# Altium PCB TX_PCB.PcbDoc (continued)
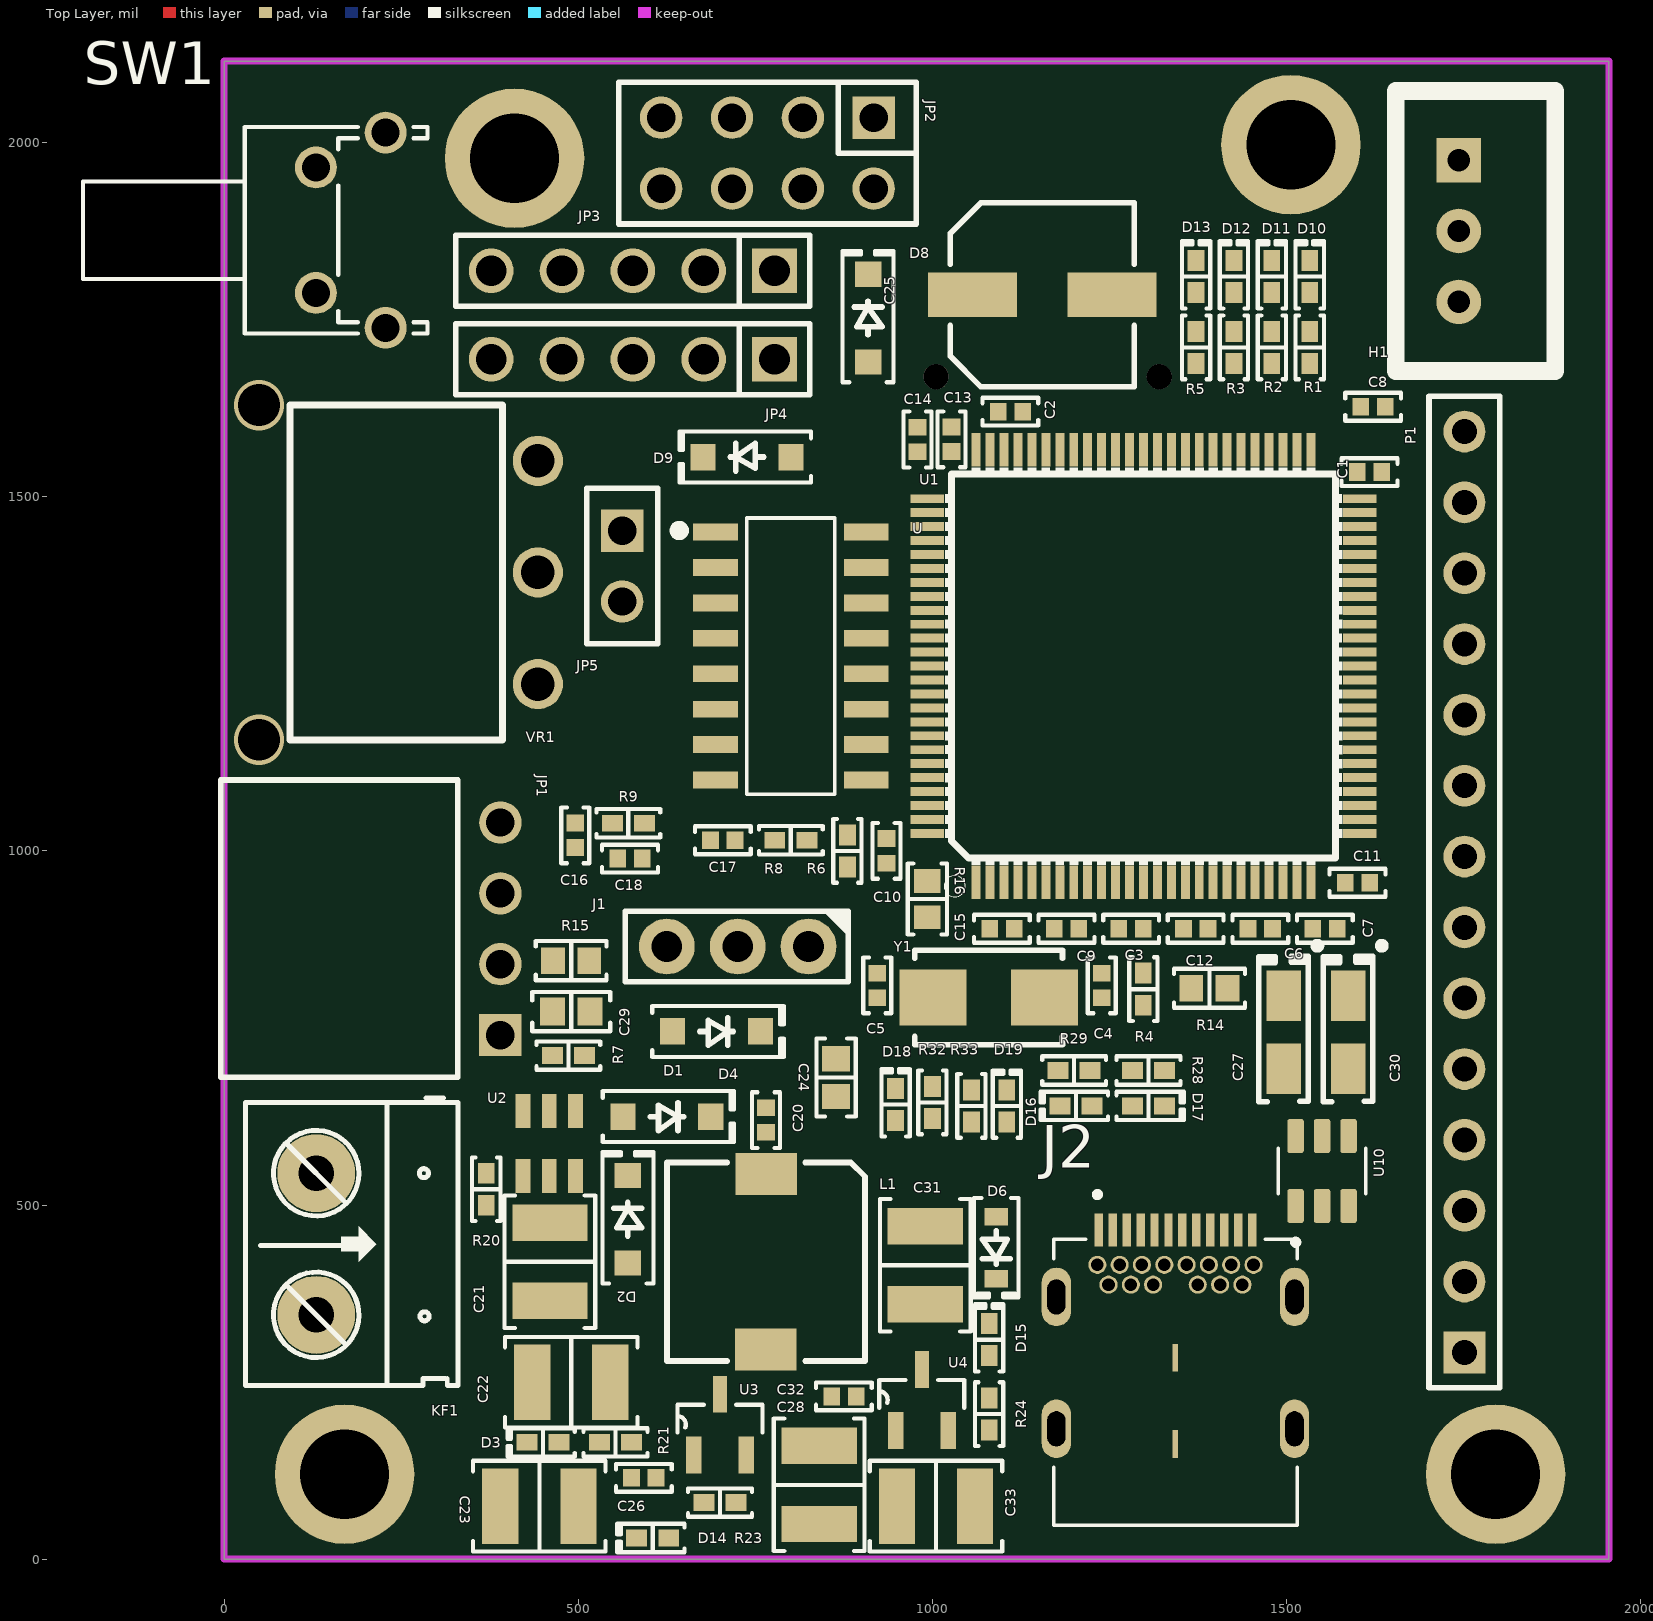
[diagram p0: Top Layer view]
## Part data (continued)
D16 D19: library part 150040GS73240, "LED GREEN CLEAR 0402 SMD", Current - Test=20mA, Device Package="0402 (1005 Metric)", Lens Color=Colorless, Manufacturer="Würth Elektronik", Millicandela Rating=800mcd, Supplier Part Number 1=732-11990-1-ND, Voltage - Forward (Vf) (Typ)=3.2V, Color=Green, componentlink1description=Datasheet, componentlink1url=https://katalog.we-online.de/pbs/datasheet/150040GS73240.pdf, componentlink2description="DigiKey Link", componentlink2url=https://www.digikey.com/en/products/detail/würth-elektronik/150040GS73240/8557155, Configuration=Standard, Height (Max)=0.50mm, lastupdated="6/3/2024 7:58:14 PM", Lens Size="1.00mm x 0.50mm", Lens Style="Rectangle with Flat Top", Lens Transparency=Clear, Lifecycle Status=Active, Minimum Order=1, Mounting Type="Surface Mount", Package / Case="0402 (1005 Metric)", packaging=TapeAndReel, Part Number=150040GS73240, Part Status=Active, partid=715, Price=0.16, series=WL-SMCC, Size / Dimension="1.00mm L x 0.50mm W", Supplier 1=DigiKey, Supplier Device Package="0402 (1005 Metric)", Viewing Angle=120°, Wavelength - Dominant=525nm, Wavelength - Peak=515nm
D17 D18: library part 150040SS73220, "LED RED CLEAR 0402 SMD", Current - Test=20mA, Device Package="0402 (1005 Metric)", Lens Color=Colorless, Manufacturer="Würth Elektronik", Millicandela Rating=90mcd, Supplier Device Package=0402, Supplier Part Number 1=732-13421-1-ND, Voltage - Forward (Vf) (Typ)=2V, Color=Red, componentlink2description="DigiKey Link", componentlink2url=https://www.digikey.com/en/products/detail/würth-elektronik/150040SS73220/9857944, Configuration=0402, Height (Max)=0.35mm, lastupdated="6/3/2024 7:59:17 PM", Lens Size="1.00mm x 0.50mm", Lens Style="Rectangle with Flat Top", Lens Transparency=Clear, Lifecycle Status=Active, Minimum Order=1, Mounting Type="Surface Mount", Package / Case="0402 (1005 Metric)", packaging=TapeAndReel, Part Number=150040SS73220, Part Status=Active, partid=511, Price=0.29, series=WL-SMCC, Size / Dimension="1.00mm L x 0.50mm W", Supplier 1=DigiKey, Viewing Angle=120°, Wavelength - Dominant=630nm, Wavelength - Peak=645nm
H1 KF1: "Cắm", Chung_Loai=Cắm, Don_Vi=Con
  H1: Ma_Hang=MH001292, Ten_Linh_Kien="Header 3P XH2.54-3P Đực Thẳng"
  KF1: Ma_Hang=MH000987, Ten_Linh_Kien="CON 2 KF301-2P 5.08MM Xanh Dương"
J1: "CONN RCPT 3POS 0.1 GOLD PCB", Current Rating (Amps)=3A, Insulation Color=Black, Manufacturer="Harwin Inc.", Material Flammability Rating="UL94 V-0", Operating Temperature="-40°C ~ 105°C", Supplier Part Number 1=952-1783-ND, componentlink1description=Datasheet, componentlink1url=https://cdn.harwin.com/pdfs/Harwin_PC_Connectors_M20.pdf, componentlink2description="DigiKey Link", componentlink2url=https://www.digikey.com/en/products/detail/harwin-inc/M20-7820342/3727752, Connector Type=Receptacle, Contact Finish - Mating=Gold, Contact Finish - Post=Tin, Contact Finish Thickness - Mating=Flash, Contact Length - Post="0.118\" (3.00mm)", Contact Type="Female Socket", Fastening Type=Push-Pull, Insulation Height="0.335\" (8.51mm)", lastupdated="9/21/2022 6:55:13 PM", Lifecycle Status=Active, Mated Stacking Heights="11.04mm, 12.63mm", Minimum Order=1, Mounting Type="Through Hole", Number of Positions=3, Number of Positions Loaded=All, Number of Rows=1, packaging=Tube, Part Number=M20-7820342, Part Status=Active, Pitch - Mating="0.100\" (2.54mm)", Price=0.42, series=M20, Style="Board to Board or Cable", Supplier 1=DigiKey, Termination=Solder
J2: "USB Type-C Connector", Package=None, Availability=Warning, DigiKey-Purchase-URL=https://snapeda.com/shop?store=DigiKey&id=4629247, MF="Stewart Connector", Mouser-Purchase-URL=https://snapeda.com/shop?store=Mouser&id=4629247, MP=SS-52400-002, Price=None, SnapEDA_Link=https://www.snapeda.com/parts/SS-52400-002/Stewart%20Connector/view-part/4629247/?ref=snap
JP1: library part "JP 1x4 2.54 Cai Cong", "Cắm", Chung_Loai=Cắm, Don_Vi=Con, Ma_Hang=MH001265, Ten_Linh_Kien="Jump Đơn Cái 2.54MM 1x40P Cong"
JP2: library part "JP 2x4 2.54 Cai Thang", "Cắm", Chung_Loai=Cắm, Don_Vi=Con, Ma_Hang=MH008647, Ten_Linh_Kien="Jump Đôi Cái 2.54MM 2x20P Thẳng"
JP3 JP4: library part "JP 1x5 2.54 Duc Thang", "Cắm", Chung_Loai=Cắm, Don_Vi=Con, Ma_Hang=MH000903, Ten_Linh_Kien="Jump Đơn Đực 2.54MM 1x40P Thẳng 11MM"
JP5: library part "JP 1x2 2.54 Cai Thang", "Cắm", Chung_Loai=Cắm, Don_Vi=Con, Ma_Hang=MH004006, Ten_Linh_Kien="Jump Đơn Cái 2.54MM 1x20P Thẳng"
L1: library part SLF7032T-100M1R4-2PF, "FIXED IND 10UH 1.4A 63.6 MOHM", Current Rating (Amps)=1.4A, DC Resistance (DCR)="63.6mOhm Max", Device Package=Nonstandard, Inductance Frequency - Test=100kHz, Manufacturer="TDK Corporation", Operating Temperature="-40°C ~ 105°C", Supplier Part Number 1=445-1998-1-ND, Tolerance=±20%, componentlink1description=Datasheet, componentlink1url=//media.digikey.com/pdf/Data%20Sheets/TDK%20PDFs/SLF7032_Type.pdf, componentlink2description="DigiKey Link", componentlink2url=http://digikey.com/product-detail/en/tdk-corporation/SLF7032T-100M1R4-2PF/445-1998-1-ND/755405, Height - Seated (Max)="0.134\" (3.40mm)", Inductance=10µH, lastupdated="9/2/2020 1:30:24 AM", Lifecycle Status=Active, Material - Core=Ferrite, Minimum Order=1, Mounting Type="Surface Mount", Package / Case=Nonstandard, packaging=TapeAndReel, Part Number=SLF7032T-100M1R4-2PF, Part Status=Active, partid=3677, Price=0.43, series=SLF, Shielding=Shielded, Size / Dimension="0.276\" L x 0.276\" W (7.00mm x 7.00mm)", Supplier 1=DigiKey, Type=Wirewound
P1: "Header, 14-Pin", LatestRevisionDate=17-Jul-2002, LatestRevisionNote="Re-released for DXP Platform.", Publisher="Altium Limited"
P2: "Micro SD Card Socket", Package=None, Availability=Unavailable, MP=ST-TF-003A, Price=None
Q1 Q2: "N/A", Package=Package, Availability="Not in stock", Check_prices=https://www.snapeda.com/parts/FS8205A/Fortune+Semiconductor/view-part/?ref=eda, MF="Fortune Semiconductor", MP=FS8205A, Price=None, SnapEDA_Link=https://www.snapeda.com/parts/FS8205A/Fortune+Semiconductor/view-part/?ref=snap
R1 R2 R3 R5 R23 R24: library part RC0402FR-07680RL, "RES 680 OHM 1% 1/16W 0402", Device Package="0402 (1005 Metric)", Manufacturer=Yageo, Operating Temperature="-55°C ~ 155°C", Power (Watts)="0.063W, 1/16W", Supplier Device Package=0402, Supplier Part Number 1=311-680LRCT-ND, Temperature Coefficient=±100ppm/°C, Tolerance=±1%, componentlink1description=Datasheet, componentlink1url=https://www.yageo.com/upload/media/product/productsearch/datasheet/rchip/PYu-RC_Group_51_RoHS_L_10.pdf, componentlink2description="DigiKey Link", componentlink2url=https://www.digikey.com/en/products/detail/yageo/RC0402FR-07680RL/726654, Composition="Thick Film", Features="Moisture Resistant", Height - Seated (Max)="0.016\" (0.40mm)", lastupdated="2/9/2024 8:30:23 PM", Lifecycle Status=Active, Minimum Order=1, Number of Terminations=2, Package / Case="0402 (1005 Metric)", packaging=CutTape, Part Number=RC0402FR-07680RL, Part Status=Active, partid=2599, Price=0.01, Resistance="680 Ohms", series=RC_L, Size / Dimension="0.039\" L x 0.020\" W (1.00mm x 0.50mm)", Supplier 1=DigiKey
R4: library part MCS04020D1003BE100, "RES SMD 100K OHM 0.1% 1/16W 0402", Device Package="0402 (1005 Metric)", Manufacturer="Vishay Beyschlag", Operating Temperature="-55°C ~ 125°C", Power (Watts)="0.063W, 1/16W", Supplier Device Package=0402, Supplier Part Number 1=749-1594-1-ND, Temperature Coefficient=±25ppm/°C, Tolerance=±0.1%, componentlink1description=Datasheet, componentlink1url=http://www.vishay.com/docs/28700/mcx0x0xpre.pdf, componentlink2description="DigiKey Link", componentlink2url=http://digikey.com/product-detail/en/vishay-beyschlag/MCS04020D1003BE100/749-1594-1-ND/7347904, Composition="Thin Film", Features=Anti-Sulfur, Height - Seated (Max)="0.015\" (0.37mm)", lastupdated="2/9/2024 8:30:09 PM", Lifecycle Status=Active, Minimum Order=1, Number of Terminations=2, Package / Case="0402 (1005 Metric)", packaging=TapeAndReel, Part Number=MCS04020D1003BE100, Part Status=Active, partid=5933, Price=0.17, Resistance="100 kOhms", series="MCS - Precision", Size / Dimension="0.039\" L x 0.020\" W (1.00mm x 0.50mm)", Supplier 1=DigiKey
R6 R7: library part RP73PF1E10KBTD, "RES 10K OHM 0.1% 1/10W 0402", Device Package="0402 (1005 Metric)", Manufacturer="TE Connectivity Passive Product", Operating Temperature="-55°C ~ 155°C", Power (Watts)="0.1W, 1/10W", Supplier Device Package=0402, Supplier Part Number 1=A127415CT-ND, Temperature Coefficient=±25ppm/°C, Tolerance=±0.1%, componentlink1description=Datasheet, componentlink1url=https://www.te.com/commerce/DocumentDelivery/DDEController?Action=srchrtrv&DocNm=1773272&DocType=DS&DocLang=English, componentlink2description="DigiKey Link", componentlink2url=https://www.digikey.com/en/products/detail/te-connectivity-passive-product/RP73PF1E10KBTD/8260957, Composition="Thin Film", Height - Seated (Max)="0.014\" (0.35mm)", lastupdated="2/9/2024 8:30:24 PM", Lifecycle Status=Active, Minimum Order=1, Number of Terminations=2, Package / Case="0402 (1005 Metric)", packaging=TapeAndReel, Part Number=RP73PF1E10KBTD, Part Status=Active, partid=2434, Price=0.08, Resistance="10 kOhms", series="RP73, Holsworthy", Size / Dimension="0.039\" L x 0.020\" W (1.00mm x 0.50mm)", Supplier 1=DigiKey
R8 R11 R12 R13 R17 R18: library part RK73H1ERTTP4701F, "RES 4.7K OHM 1% 1/10W 0402", Device Package="0402 (1005 Metric)", Manufacturer="KOA Speer Electronics, Inc.", Operating Temperature="-55°C ~ 155°C", Power (Watts)="0.1W, 1/10W", Ratings=AEC-Q200, Supplier Device Package=0402, Supplier Part Number 1=2019-RK73H1ERTTP4701FCT-ND, Temperature Coefficient=±100ppm/°C, Tolerance=±1%, componentlink1description=Datasheet, componentlink1url=https://www.koaspeer.com/pdfs/RK73-RT.pdf, componentlink2description="DigiKey Link", componentlink2url=https://www.digikey.com/en/products/detail/koa-speer-electronics-inc/RK73H1ERTTP4701F/12335338, Composition="Thick Film", Features="Anti-Sulfur, Automotive AEC-Q200, Moisture Resistant", Height - Seated (Max)="0.016\" (0.40mm)", lastupdated="2/9/2024 8:28:49 PM", Lifecycle Status=Active, Minimum Order=1, Number of Terminations=2, Package / Case="0402 (1005 Metric)", packaging=TapeAndReel, Part Number=RK73H1ERTTP4701F, Part Status=Active, partid=68308, Price=0.01, Resistance="4.7 kOhms", series=RK73-RT, Size / Dimension="0.039\" L x 0.020\" W (1.00mm x 0.50mm)", Supplier 1=DigiKey
R9 R22: library part MCS0402MC1002FE000, "RES SMD 10K OHM 1% 1/10W 0402", Device Package="0402 (1005 Metric)", Manufacturer="Vishay Beyschlag", Operating Temperature="-55°C ~ 175°C", Power (Watts)="0.1W, 1/10W", Ratings=AEC-Q200, Supplier Device Package=0402, Supplier Part Number 1=MCS0402-10.0K-MFCT-ND, Temperature Coefficient=±50ppm/°C, Tolerance=±1%, componentlink1description=Datasheet, componentlink1url=http://www.vishay.com/docs/28760/mcat_pro.pdf, componentlink2description="DigiKey Link", componentlink2url=http://digikey.com/product-detail/en/vishay-beyschlag/MCS0402MC1002FE000/MCS0402-10.0K-MFCT-ND/3883092, Composition="Thin Film", Features="Anti-Sulfur, Automotive AEC-Q200", Height - Seated (Max)="0.015\" (0.37mm)", lastupdated="2/9/2024 8:30:21 PM", Lifecycle Status=Active, Minimum Order=1, Number of Terminations=2, Package / Case="0402 (1005 Metric)", packaging=TapeAndReel, Part Number=MCS0402MC1002FE000, Part Status=Active, partid=3152, Price=0.03, Resistance="10 kOhms", series="MCS AT - Professional", Size / Dimension="0.039\" L x 0.020\" W (1.00mm x 0.50mm)", Supplier 1=DigiKey
R10: library part MCS04020C1201FE000, "RES SMD 1.2K OHM 1% 1/10W 0402", Device Package="0402 (1005 Metric)", Manufacturer="Vishay Beyschlag", Operating Temperature="-55°C ~ 155°C", Power (Watts)="0.1W, 1/10W", Supplier Device Package=0402, Supplier Part Number 1=749-MCS04020C1201FE000CT-ND, Temperature Coefficient=±50ppm/°C, Tolerance=±1%, componentlink1description=Datasheet, componentlink1url=http://www.vishay.com/docs/28705/mcx0x0xpro.pdf, componentlink2description="DigiKey Link", componentlink2url=http://digikey.com/product-detail/en/vishay-beyschlag/MCS04020C1201FE000/749-MCS04020C1201FE000CT-ND/10453885, Composition="Thin Film", Features=Anti-Sulfur, Height - Seated (Max)="0.015\" (0.37mm)", lastupdated="2/9/2024 8:30:06 PM", Lifecycle Status=Active, Minimum Order=1, Number of Terminations=2, Package / Case="0402 (1005 Metric)", packaging=TapeAndReel, Part Number=MCS04020C1201FE000, Part Status=Active, partid=6712, Price=0.03, Resistance="1.2 kOhms", series="MCS - Professional", Size / Dimension="0.039\" L x 0.020\" W (1.00mm x 0.50mm)", Supplier 1=DigiKey
R14: library part CRT0603-FY-47R0ELF, "RES SMD 47 OHM 1% 1/10W 0603", Device Package="0603 (1608 Metric)", Manufacturer="Bourns Inc.", Operating Temperature="-55°C ~ 155°C", Power (Watts)="0.1W, 1/10W", Supplier Device Package=0603, Supplier Part Number 1=118-CRT0603-FY-47R0ELFCT-ND, Temperature Coefficient=±25ppm/°C, Tolerance=±1%, componentlink1description=Datasheet, componentlink1url=https://www.bourns.com/docs/Product-Datasheets/crt.pdf, componentlink2description="DigiKey Link", componentlink2url=https://www.digikey.com/en/products/detail/bourns-inc/CRT0603-FY-47R0ELF/4698664, Composition="Thin Film", Features="Current Sense", Height - Seated (Max)="0.024\" (0.60mm)", lastupdated="2/9/2024 8:41:00 PM", Lifecycle Status=Active, Minimum Order=1, Number of Terminations=2, Package / Case="0603 (1608 Metric)", packaging=TapeAndReel, Part Number=CRT0603-FY-47R0ELF, Part Status=Active, partid=71867, Price=0.02, Resistance="47 Ohms", series=CRT, Size / Dimension="0.061\" L x 0.031\" W (1.55mm x 0.80mm)", Supplier 1=DigiKey
R15: library part RG1608P-203-B-T5, "RES SMD 20K OHM 0.1% 1/10W 0603", Device Package="0603 (1608 Metric)", Manufacturer=Susumu, Operating Temperature="-55°C ~ 155°C", Power (Watts)="0.1W, 1/10W", Ratings=AEC-Q200, Supplier Device Package=0603, Supplier Part Number 1=RG16P20.0KBCT-ND, Temperature Coefficient=±25ppm/°C, Tolerance=±0.1%, componentlink1description=Datasheet, componentlink1url=//media.digikey.com/pdf/Data%20Sheets/Susumu%20PDFs/RG_RM_RGH_Oct2012.pdf, componentlink2description="DigiKey Link", componentlink2url=https://www.digikey.com/en/products/detail/susumu/RG1608P-203-B-T5/1240507, Composition="Thin Film", Features="Anti-Sulfur, Automotive AEC-Q200", Height - Seated (Max)="0.020\" (0.50mm)", lastupdated="2/9/2024 8:43:15 PM", Lifecycle Status=Active, Minimum Order=1, Number of Terminations=2, Package / Case="0603 (1608 Metric)", packaging=TapeAndReel, Part Number=RG1608P-203-B-T5, Part Status=Active, partid=10176, Price=0.05, Resistance="20 kOhms", series=RG, Size / Dimension="0.063\" L x 0.031\" W (1.60mm x 0.80mm)", Supplier 1=DigiKey
R16: library part CR0603AJ/-000ELF, "RES 0 OHM JUMPER 1/10W 0603", Device Package="0603 (1608 Metric)", Manufacturer="Bourns Inc.", Operating Temperature="-55°C ~ 155°C", Power (Watts)="0.1W, 1/10W", Ratings=AEC-Q200, Supplier Device Package=0603, Supplier Part Number 1=118-CR0603AJ/-000ELFCT-ND, Tolerance=Jumper, componentlink1description=Datasheet, componentlink1url=https://www.bourns.com/docs/product-datasheets/cr-a.pdf?sfvrsn=2c9541f6_8, componentlink2description="DigiKey Link", componentlink2url=https://www.digikey.com/en/products/detail/bourns-inc/CR0603AJ-000ELF/12091355, Composition="Thick Film", Features="Automotive AEC-Q200", Height - Seated (Max)="0.022\" (0.55mm)", lastupdated="2/9/2024 8:41:39 PM", Lifecycle Status=Active, Minimum Order=1, Number of Terminations=2, Package / Case="0603 (1608 Metric)", packaging=CutTape, Part Number=CR0603AJ/-000ELF, Part Status=Active, partid=63970, Price=0.01, Resistance="0 Ohms", series=CRxxxxA, Size / Dimension="0.063\" L x 0.031\" W (1.60mm x 0.80mm)", Supplier 1=DigiKey
R19: library part ERJ-2RKF5232X, "RES SMD 52.3K OHM 1% 1/10W 0402", Device Package="0402 (1005 Metric)", Manufacturer="Panasonic Electronic Components", Operating Temperature="-55°C ~ 155°C", Power (Watts)="0.1W, 1/10W", Ratings=AEC-Q200, Supplier Device Package=0402, Supplier Part Number 1=P52.3KLCT-ND, Temperature Coefficient=±100ppm/°C, Tolerance=±1%, componentlink1description=Datasheet, componentlink1url=https://industrial.panasonic.com/cdbs/www-data/pdf/RDA0000/AOA0000C304.pdf, componentlink2description="DigiKey Link", componentlink2url=https://www.digikey.com/en/products/detail/panasonic-electronic-components/ERJ-2RKF5232X/192398, Composition="Thick Film", Features="Automotive AEC-Q200", Height - Seated (Max)="0.016\" (0.40mm)", lastupdated="2/9/2024 8:30:19 PM", Lifecycle Status=Active, Minimum Order=1, Number of Terminations=2, Package / Case="0402 (1005 Metric)", packaging=CutTape, Part Number=ERJ-2RKF5232X, Part Status=Active, partid=3637, Price=0.01, Resistance="52.3 kOhms", series=ERJ-2RK, Size / Dimension="0.039\" L x 0.020\" W (1.00mm x 0.50mm)", Supplier 1=DigiKey
R20: library part RP73PF1E100KBTD, "RES 100K OHM 0.1% 1/10W 0402", Device Package="0402 (1005 Metric)", Manufacturer="TE Connectivity Passive Product", Operating Temperature="-55°C ~ 155°C", Power (Watts)="0.1W, 1/10W", Supplier Device Package=0402, Supplier Part Number 1=A127511CT-ND, Temperature Coefficient=±25ppm/°C, Tolerance=±0.1%, componentlink1description=Datasheet, componentlink1url=https://www.te.com/commerce/DocumentDelivery/DDEController?Action=srchrtrv&DocNm=1773272&DocType=DS&DocLang=English, componentlink2description="DigiKey Link", componentlink2url=https://www.digikey.com/en/products/detail/te-connectivity-passive-product/RP73PF1E100KBTD/8261053, Composition="Thin Film", Height - Seated (Max)="0.014\" (0.35mm)", lastupdated="2/9/2024 8:30:24 PM", Lifecycle Status=Active, Minimum Order=1, Number of Terminations=2, Package / Case="0402 (1005 Metric)", packaging=TapeAndReel, Part Number=RP73PF1E100KBTD, Part Status=Active, partid=2436, Price=0.08, Resistance="100 kOhms", series="RP73, Holsworthy", Size / Dimension="0.039\" L x 0.020\" W (1.00mm x 0.50mm)", Supplier 1=DigiKey
R21: library part MCS0402MC1001FE000, "RES SMD 1K OHM 1% 1/10W 0402", Device Package="0402 (1005 Metric)", Manufacturer="Vishay Beyschlag", Operating Temperature="-55°C ~ 175°C", Power (Watts)="0.1W, 1/10W", Ratings=AEC-Q200, Supplier Device Package=0402, Supplier Part Number 1=MCS0402-1.00K-MFCT-ND, Temperature Coefficient=±50ppm/°C, Tolerance=±1%, componentlink1description=Datasheet, componentlink1url=http://www.vishay.com/docs/28760/mcat_pro.pdf, componentlink2description="DigiKey Link", componentlink2url=http://digikey.com/product-detail/en/vishay-beyschlag/MCS0402MC1001FE000/MCS0402-1.00K-MFCT-ND/3883095, Composition="Thin Film", Features="Anti-Sulfur, Automotive AEC-Q200", Height - Seated (Max)="0.015\" (0.37mm)", lastupdated="2/9/2024 8:30:03 PM", Lifecycle Status=Active, Minimum Order=1, Number of Terminations=2, Package / Case="0402 (1005 Metric)", packaging=TapeAndReel, Part Number=MCS0402MC1001FE000, Part Status=Active, partid=7496, Price=0.03, Resistance="1 kOhms", series="MCS AT - Professional", Size / Dimension="0.039\" L x 0.020\" W (1.00mm x 0.50mm)", Supplier 1=DigiKey
R25: library part ERJ-2RKF1201X, "RES SMD 1.2K OHM 1% 1/10W 0402", Device Package="0402 (1005 Metric)", Manufacturer="Panasonic Electronic Components", Operating Temperature="-55°C ~ 155°C", Power (Watts)="0.1W, 1/10W", Ratings=AEC-Q200, Supplier Device Package=0402, Supplier Part Number 1=P1.20KLCT-ND, Temperature Coefficient=±100ppm/°C, Tolerance=±1%, componentlink1description=Datasheet, componentlink1url=https://industrial.panasonic.com/cdbs/www-data/pdf/RDA0000/AOA0000C304.pdf, componentlink2description="DigiKey Link", componentlink2url=https://www.digikey.com/en/products/detail/panasonic-electronic-components/ERJ-2RKF1201X/1746119, Composition="Thick Film", Features="Automotive AEC-Q200", Height - Seated (Max)="0.016\" (0.40mm)", lastupdated="2/9/2024 8:30:04 PM", Lifecycle Status=Active, Minimum Order=1, Number of Terminations=2, Package / Case="0402 (1005 Metric)", packaging=CutTape, Part Number=ERJ-2RKF1201X, Part Status=Active, partid=7242, Price=0.01, Resistance="1.2 kOhms", series=ERJ-2RK, Size / Dimension="0.039\" L x 0.020\" W (1.00mm x 0.50mm)", Supplier 1=DigiKey
R26: library part RK73H1ERTTP1001F, "RES 1K OHM 1% 1/10W 0402", Device Package="0402 (1005 Metric)", Manufacturer="KOA Speer Electronics, Inc.", Operating Temperature="-55°C ~ 155°C", Power (Watts)="0.1W, 1/10W", Ratings=AEC-Q200, Supplier Device Package=0402, Supplier Part Number 1=2019-RK73H1ERTTP1001FCT-ND, Temperature Coefficient=±100ppm/°C, Tolerance=±1%, componentlink1description=Datasheet, componentlink1url=https://www.koaspeer.com/pdfs/RK73-RT.pdf, componentlink2description="DigiKey Link", componentlink2url=https://www.digikey.com/en/products/detail/koa-speer-electronics-inc/RK73H1ERTTP1001F/12335224, Composition="Thick Film", Features="Anti-Sulfur, Automotive AEC-Q200, Moisture Resistant", Height - Seated (Max)="0.016\" (0.40mm)", lastupdated="2/9/2024 8:28:48 PM", Lifecycle Status=Active, Minimum Order=1, Number of Terminations=2, Package / Case="0402 (1005 Metric)", packaging=TapeAndReel, Part Number=RK73H1ERTTP1001F, Part Status=Active, partid=68861, Price=0.01, Resistance="1 kOhms", series=RK73-RT, Size / Dimension="0.039\" L x 0.020\" W (1.00mm x 0.50mm)", Supplier 1=DigiKey
R27: library part RK73H1ETTP1100F, "RES 110 OHM 1% 1/10W 0402", Device Package="0402 (1005 Metric)", Manufacturer="KOA Speer Electronics, Inc.", Operating Temperature="-55°C ~ 155°C", Power (Watts)="0.1W, 1/10W", Ratings=AEC-Q200, Supplier Device Package=0402, Supplier Part Number 1=2019-RK73H1ETTP1100FCT-ND, Temperature Coefficient=±100ppm/°C, Tolerance=±1%, componentlink1description=Datasheet, componentlink1url=http://www.koaspeer.com/catimages/Products/RK73H/RK73H.pdf, componentlink2description="DigiKey Link", componentlink2url=https://www.digikey.com/en/products/detail/koa-speer-electronics-inc/RK73H1ETTP1100F/9844440, Composition="Thick Film", Features="Automotive AEC-Q200, Moisture Resistant", Height - Seated (Max)="0.016\" (0.40mm)", lastupdated="2/9/2024 8:29:55 PM", Lifecycle Status=Active, Minimum Order=1, Number of Terminations=2, Package / Case="0402 (1005 Metric)", packaging=CutTape, Part Number=RK73H1ETTP1100F, Part Status=Active, partid=10287, Price=0.01, Resistance="110 Ohms", series=RK73H, Size / Dimension="0.039\" L x 0.020\" W (1.00mm x 0.50mm)", Supplier 1=DigiKey
R28 R29: library part RK73G1ETTP1001D, "RES 1K OHM 0.5% 1/10W 0402", Device Package="0402 (1005 Metric)", Manufacturer="KOA Speer Electronics, Inc.", Operating Temperature="-55°C ~ 155°C", Power (Watts)="0.1W, 1/10W", Ratings=AEC-Q200, Supplier Device Package=0402, Supplier Part Number 1=2019-RK73G1ETTP1001DCT-ND, Temperature Coefficient=±50ppm/°C, Tolerance=±0.5%, componentlink1description=Datasheet, componentlink1url=https://www.koaspeer.com/pdfs/RK73G.pdf, componentlink2description="DigiKey Link", componentlink2url=https://www.digikey.com/en/products/detail/koa-speer-electronics-inc/RK73G1ETTP1001D/9852646, Composition="Thick Film", Features="Automotive AEC-Q200", Height - Seated (Max)="0.016\" (0.40mm)", lastupdated="2/9/2024 8:28:32 PM", Lifecycle Status=Active, Minimum Order=1, Number of Terminations=2, Package / Case="0402 (1005 Metric)", packaging=TapeAndReel, Part Number=RK73G1ETTP1001D, partid=79437, Price=0.03, Resistance="1 kOhms", series=RK73G, Size / Dimension="0.039\" L x 0.020\" W (1.00mm x 0.50mm)", Supplier 1=DigiKey
R30: library part CRCW04021K00FKTD, "RES SMD 1K OHM 1% 1/16W 0402", Device Package="0402 (1005 Metric)", Manufacturer="Vishay Dale", Operating Temperature="-55°C ~ 155°C", Power (Watts)="0.063W, 1/16W", Ratings=AEC-Q200, Supplier Device Package=0402, Supplier Part Number 1=541-2957-1-ND, Temperature Coefficient=±100ppm/°C, Tolerance=±1%, componentlink1description=Datasheet, componentlink1url=http://www.vishay.com/docs/20008/dcrcw.pdf, componentlink2description="DigiKey Link", componentlink2url=https://www.digikey.com/en/products/detail/vishay-dale/CRCW04021K00FKTD/1220977, Composition="Thick Film", Features="Automotive AEC-Q200", Height - Seated (Max)="0.016\" (0.40mm)", lastupdated="2/9/2024 8:29:48 PM", Lifecycle Status=Active, Minimum Order=1, Number of Terminations=2, Package / Case="0402 (1005 Metric)", packaging=TapeAndReel, Part Number=CRCW04021K00FKTD, Part Status=Active, partid=12740, Price=0.01, Resistance="1 kOhms", series=CRCW, Size / Dimension="0.039\" L x 0.020\" W (1.00mm x 0.50mm)", Supplier 1=DigiKey
R31: library part ERJ-U02F1100X, "RES 110 OHM 1% 1/10W 0402 SMD", Device Package="0402 (1005 Metric)", Manufacturer="Panasonic Electronic Components", Operating Temperature="-55°C ~ 155°C", Power (Watts)="0.1W, 1/10W", Ratings=AEC-Q200, Supplier Device Package=0402, Supplier Part Number 1=10-ERJ-U02F1100XCT-ND, Temperature Coefficient=±200ppm/°C, Tolerance=±1%, componentlink1description=Datasheet, componentlink1url=https://industrial.panasonic.com/cdbs/www-data/pdf/RDP0000/AOA0000C334.pdf, componentlink2description="DigiKey Link", componentlink2url=https://www.digikey.com/en/products/detail/panasonic-electronic-components/ERJ-U02F1100X/11635590, Composition="Thick Film", Features="Anti-Sulfur, Automotive AEC-Q200", Height - Seated (Max)="0.016\" (0.40mm)", lastupdated="2/9/2024 8:29:07 PM", Lifecycle Status=Active, Minimum Order=1, Number of Terminations=2, Package / Case="0402 (1005 Metric)", packaging=TapeAndReel, Part Number=ERJ-U02F1100X, Part Status=Active, partid=60233, Price=0.01, Resistance="110 Ohms", series=ERJ-U02, Size / Dimension="0.039\" L x 0.020\" W (1.00mm x 0.50mm)", Supplier 1=DigiKey
R32 R33: library part TNPW04021K00BYEP, "RES 1K OHM 0.1% 1/16W 0402", Device Package="0402 (1005 Metric)", Manufacturer="Vishay Dale", Operating Temperature="-55°C ~ 155°C", Power (Watts)="0.063W, 1/16W", Ratings=AEC-Q200, Supplier Device Package=0402, Supplier Part Number 1=541-4425-1-ND, Temperature Coefficient=±10ppm/°C, Tolerance=±0.1%, componentlink1description=Datasheet, componentlink1url=http://www.vishay.com/docs/28758/tnpw_e3.pdf, componentlink2description="DigiKey Link", componentlink2url=https://www.digikey.com/en/products/detail/vishay-dale/TNPW04021K00BYEP/8629081, Composition="Thin Film", Features="Anti-Sulfur, Automotive AEC-Q200, Moisture Resistant", Height - Seated (Max)="0.016\" (0.40mm)", lastupdated="2/9/2024 8:29:50 PM", Lifecycle Status=Active, Minimum Order=1, Number of Terminations=2, Package / Case="0402 (1005 Metric)", packaging=TapeAndReel, Part Number=TNPW04021K00BYEP, Part Status=Active, partid=11904, Price=0.25, Resistance="1 kOhms", series="TNPW e3", Size / Dimension="0.039\" L x 0.020\" W (1.00mm x 0.50mm)", Supplier 1=DigiKey
SW1: "WS-TATU THT Tact Switch 6x6mm Right Angled Type with ground terminal, SPST-NO, 12VDC, 50mA, 160g", Manufacturer="Wurth Elektronik", Operating Temperature Max=85°C, Operating Temperature Min=-40°C, Rated Current=50mA, Rated Voltage=12VDC, Category="Tact Switches", Circuit=SPST-NO, componentlink1description="Website Link", componentlink1url=https://www.we-online.com/redexpert/article/431256083716?ad, componentlink2description="Datasheet Link", componentlink2url=https://www.we-online.com/redexpert/spec/431256083716?ad, Contact Material="Stainless Steel", Contact Plating=Silver, Height=8.35mm, Length=6mm, Manufacturer Part Number=431256083716, Match Code=WS-TATU, Mount="Through Hole", Operation Force=160g, packaging=Bulk, Terminal Material="Copper Alloy", Terminal Plating=Silver, Washable=No, Width=6mm
U: "Amplifier IC 2-Channel _Stereo_ Class D 16-SOP", Package="SOP-16 Diodes Inc.", Availability=Unavailable, MF="Diodes Inc.", MP=PAM8403DR, Price=None, SnapEDA_Link=https://www.snapeda.com/parts/PAM8403DR/Diodes%20Inc./view-part/108087/?ref=snap
U1: "ARMÂ® CortexÂ®-M4 STM32F4 Microcontroller IC 32-Bit Single-Core 168MHz 512KB (512K x 8) FLASH 100-LQFP (14x14)", Package="LQFP-100 STMicroelectronics", Availability="In Stock", Check_prices=https://www.snapeda.com/parts/STM32F407VET6/STMicroelectronics/view-part/?ref=eda, MF=STMicroelectronics, MP=STM32F407VET6, Price=None, Purchase-URL=https://pricing.snapeda.com/search/part/STM32F407VET6/?ref=eda, SnapEDA_Link=https://www.snapeda.com/parts/STM32F407VET6/STMicroelectronics/view-part/?ref=snap
U2: "Buck Switching Regulator IC Positive Adjustable 0.8V 1 Output 1A SOT-23-6 Thin, TSOT-23-6", Package="SOT-23 Texas Instruments", Availability=Unavailable, MF="Texas Instruments", MP=LM2734YMK, Price=None, SnapEDA_Link=https://www.snapeda.com/parts/LM2734YMK/Texas%20Instruments/view-part/105783/?ref=snap
U3 U4: "Linear Voltage Regulator IC 1 Output 250mA SOT-23-3", Package="SOT-23-3 Microchip", Availability=Unavailable, MF=Microchip, MP=MCP1700T-3302E/TT, Price=None, SnapEDA_Link=https://www.snapeda.com/parts/MCP1700T-3302E/TT/Microchip/view-part/50877/?ref=snap
U5 U6: "Complete single cell Li-Ion battery with a constant current / constant voltage linear charger", Package=Package, Availability="Not in stock", Check_prices=https://www.snapeda.com/parts/TP4056/NanJing+Top+Power+ASIC+Corp./view-part/?ref=eda, MF="NanJing Top Power ASIC Corp.", MP=TP4056, Price=None, SnapEDA_Link=https://www.snapeda.com/parts/TP4056/NanJing+Top+Power+ASIC+Corp./view-part/?ref=snap
U7 U8: "One Cell Lithium-ion/Polymer Battery Protection IC", Package="SOT-23-6 Fortune Semiconductor", Check_prices=https://www.snapeda.com/parts/DW01A/Fortune+Semiconductor/view-part/?ref=eda, MF="Fortune Semiconductor", MP=DW01A, SnapEDA_Link=https://www.snapeda.com/parts/DW01A/Fortune+Semiconductor/view-part/?ref=snap
U10: "17V Clamp 5A (8/20Âµs) Ipp Tvs Diode Surface Mount SOT-23-6", Package="SOT-23-6 STMicroelectronics", Check_prices=https://www.snapeda.com/parts/USBLC6-2SC6/STMicroelectronics/view-part/?ref=eda, MF=STMicroelectronics, MP=USBLC6-2SC6, SnapEDA_Link=https://www.snapeda.com/parts/USBLC6-2SC6/STMicroelectronics/view-part/?ref=snap
Y1: library part NX5032GA-8.000M-STD-CSU-1, "CRYSTAL 8.0000MHZ 8PF SMD", ESR (Equivalent Series Resistance)="300 Ohms", Frequency Stability=±150ppm, Frequency Tolerance=±50ppm, Load Capacitance=8pF, Manufacturer="NDK America, Inc.", Operating Mode=Fundamental, Operating Temperature="-40°C ~ 150°C", Package / Case="2-SMD, No Lead", Ratings=AEC-Q200, Supplier Part Number 1=644-1132-1-ND, componentlink1description=Datasheet, componentlink1url=//media.digikey.com/pdf/Data%20Sheets/NDK%20PDFs/NX5032GA_STD-CSU-1,-2.pdf, componentlink2description="DigiKey Link", componentlink2url=https://www.digikey.com/en/products/detail/ndk-america-inc/NX5032GA-8-000M-STD-CSU-1/1788472, Frequency="8 MHz", Height - Seated (Max)="0.059\" (1.50mm)", lastupdated="6/3/2024 8:02:22 PM", Lifecycle Status=Active, Minimum Order=1, Mounting Type="Surface Mount", packaging=TapeAndReel, Part Number=NX5032GA-8.000M-STD-CSU-1, Part Status=Active, partid=627, Price=0.32, series=NX5032GA, Size / Dimension="0.197\" L x 0.126\" W (5.00mm x 3.20mm)", Supplier 1=DigiKey, Type="MHz Crystal"

## Free pads (board coordinates)
  round 196.85 hole 125.98: 8(170,120) 8(410,1977.8) 8(1506,1997) 8(1795,120)

## Via types
v1: diameter 70.87, hole 59.06, Top Layer to Bottom Layer, 2 vias

## Nets (pads, with @x,y where several pads share a name; then routed paths per layer and width w, separated by ;. In a path a pad name is that pad's centre, name@x,y a point inside that pad or via, vN(x,y) a via of type N, cw(c..) or ccw(c..) an arc to the next point about the centre after c; other vN are vias at no path point)
+5: C19.2 C22.2 C23.2 C26.2 C31.2 C32.2 D6.2 D8.2 D9.2 JP3.2 JP4.2 L1.2 P1.14 R19.2 R21.2 U3.3 U4.3 U.4 U.5 U.6 U.12 U.13
+5_USB: D16.1 D17.1 D18.1 D19.1 U5.4 U5.8 U6.4 U6.8
+5_USB_A: C34.1 C35.1 C36.1 C37.1 D6.1 J2.A4 J2.A9 J2.B4 J2.B9 U10.5
+8.4: C21.2 D1.1 KF1.1 R7.2 R20.2 U2.5
ADC_Pin: C29.2 R7.1 R15.2 U1.15
ADC_VR_ESC: C24.2 J1.2 U1.16
Audio_PWM: R8.2 U1.92
B+: C38.1 H1.1 R27.2 U5.5
B-: C41.2 H1.3 Q2.2 Q2.3 U8.6
B_COM: C39.2 C40.1 H1.2 Q1.2 Q1.3 R31.2 U6.5 U7.6
BOOT0: R6.2 U1.94
CHRG_LED: R28.1 U5.7
CHRG_LED_1: R32.1 U6.7
CLK_SD: P2.5 U1.78
CS_SD: P2.2 R18.1 U1.81
DISPL_CS: P1.12 U1.35
DISPL_DC: P1.10 U1.37
DISPL_LED: P1.7 U1.64
DISPL_MOSI: P1.3 P1.9 U1.32
DISPL_RST: P1.11 U1.34
DISPL_SCK: P1.5 P1.8 U1.30
GND: C1.1 C2.1 C3.1 C4.1 C5.1 C6.1 C7.2 C8.1 C9.1 C10.1 C11.1 C12.1 C13.1 C14.1 C15.1 C17.1 C18.1 C21.1 C22.1 C23.1 C24.1 C25.2 C26.1 C27.2 C28.1 C29.1 C30.2 C31.1 C32.1 C33.1 C34.2 C35.2 C36.2 C37.2 C38.2 C40.2 D2.1 D3.2 D4.1 D8.1 D9.1 D10.2 D11.2 D12.2 D13.2 D14.2 D15.2 J1.1 J2.A1 J2.A12 J2.B1 J2.B12 J2.G1 J2.G2 J2.G3 J2.G4 J2.S1 J2.S2 J2.S3 J2.S4 JP1.2 JP2.5 JP3.1 JP4.1 KF1.2 P1.13 P2.6 P2.G1 P2.G2 P2.G3 P2.G4 Q1.6 Q1.7 Q2.6 Q2.7 R6.1 R10.1 R15.1 R22.1 R25.1 R26.2 R30.2 SW1.1 SW1.G1 SW1.G2 U1.10 U1.20 U1.27 U1.74 U1.99 U2.2 U3.1 U4.1 U5.1 U5.3 U5.9 U6.1 U6.3 U6.9 U10.2 U.2 U.11 U.15 VR1.2
JOY1_X: JP3.3 U1.24
JOY1_Y: JP3.4 U1.25
JOY2_X: JP4.3 U1.26
JOY2_Y: JP4.4 U1.29
LED1: R1.1 U1.59
LED2: R2.1 U1.60
LED3: R3.1 U1.61
LED4: R5.1 U1.62
MISO_SD: P2.7 R12.1 U1.79
MOSI_SD: P2.3 R11.1 U1.80
NetC16_1: C16.1 VR1.0
NetC16_2: C16.2 R9.1
NetC17_2: C17.2 R8.1 VR1.1
NetC18_2: C18.2 U.8
NetC19_1: C19.1 R19.1 R22.2 U2.3
NetC20_1: C20.1 D2.2 L1.1 U2.6
NetC20_2: C20.2 D1.2 U2.1
NetC39_1: C39.1 R27.1 U7.5
NetC41_1: C41.1 R31.1 U8.5
NetD3_1: D3.1 R21.1
NetD10_1: D10.1 R1.2
NetD11_1: D11.1 R2.2
NetD12_1: D12.1 R3.2
NetD13_1: D13.1 R5.2
NetD14_1: D14.1 R23.1
NetD15_1: D15.1 R24.1
NetD16_2: D16.2 R29.1
NetD17_2: D17.2 R28.2
NetD18_2: D18.2 R32.2
NetD19_2: D19.2 R33.1
NetJ2_A6: J2.A6 J2.B6 U10.1
NetJ2_A7: J2.A7 J2.B7 U10.3
NetJP5_1: JP5.1 U.1
NetJP5_2: JP5.2 U.3
NetP2_1: P2.1 R17.1
NetP2_8: P2.8 R13.1
NetQ1_1: Q1.1 Q1.8
NetQ1_4: Q1.4 U7.1
NetQ1_5: Q1.5 U7.3
NetQ2_1: Q2.1 Q2.8
NetQ2_4: Q2.4 U8.1
NetQ2_5: Q2.5 U8.3
NetR9_2: R9.2 U.7
NetR10_2: R10.2 U6.2
NetR20_1: R20.1 U2.4
NetR25_2: R25.2 U5.2
NetR26_1: R26.1 U7.2
NetR30_1: R30.1 U8.2
NRST: C3.2 R4.1 SW1.2 U1.14
OSC_IN: C5.2 U1.12 Y1.2
OSC_OUT: C4.2 U1.13 Y1.1
RF_CE: JP2.6 U1.52
RF_CSN: JP2.3 U1.51
RF_MISO: JP2.8 U1.53
RF_MOSI: JP2.2 U1.54
RF_SCK: JP2.7 U1.47
STDBY_LED: R29.2 U5.6
STDBY_LED_1: R33.2 U6.6
SWCLK: JP1.3 U1.76
SWDIO: JP1.1 U1.72
TOUCH_CS: P1.4 U1.36
TOUCH_INT: P1.1 U1.33
TOUCH_MISO: P1.2 U1.31
USB_DM: U1.70 U10.6
USB_DP: U1.71 U10.4
VBAT: C15.2 R16.2 U1.6
VCAP_1: C1.2 U1.49
VCAP_2: C2.2 U1.73
VCCNRF: C25.1 C33.2 JP2.4 R24.2 U4.2
VDD1: C8.2 C9.2 C10.2 C11.2 C12.2 C13.2 C14.2 C28.2 D4.2 J1.3 JP1.4 P2.4 R4.2 R11.2 R12.2 R13.2 R14.1 R16.1 R17.2 R18.2 R23.2 U1.11 U1.19 U1.28 U1.50 U1.75 U1.100 U3.2
VDDA: C7.1 C30.1 U1.22
VREF+: C6.2 C27.1 R14.2 U1.21
pads on no net: J2.A2 J2.A3 J2.A5 J2.A8 J2.A10 J2.A11 J2.B2 J2.B3 J2.B5 J2.B8 J2.B10 J2.B11 JP2.1 JP3.5 JP4.5 P1.6 P2. P2.9 U1.1 U1.2 U1.3 U1.4 U1.5 U1.7 U1.8 U1.9 U1.17 U1.18 U1.23 U1.38 U1.39 U1.40 U1.41 U1.42 U1.43 U1.44 U1.45 U1.46 U1.48 U1.55 U1.56 U1.57 U1.58 U1.63 U1.65 U1.66 U1.67 U1.68 U1.69 U1.77 U1.82 U1.83 U1.84 U1.85 U1.86 U1.87 U1.88 U1.89 U1.90 U1.91 U1.93 U1.95 U1.96 U1.97 U1.98 U7.4 U8.4 U.9 U.10 U.14 U.16
copper on no net:
  other v1: 49.3,1156.78 49.3,1629.22

## Keep-outs
Keep-Out Layer:
  the board outline again, w10